# KiCad board B3_panel.kicad_pcb (continued)
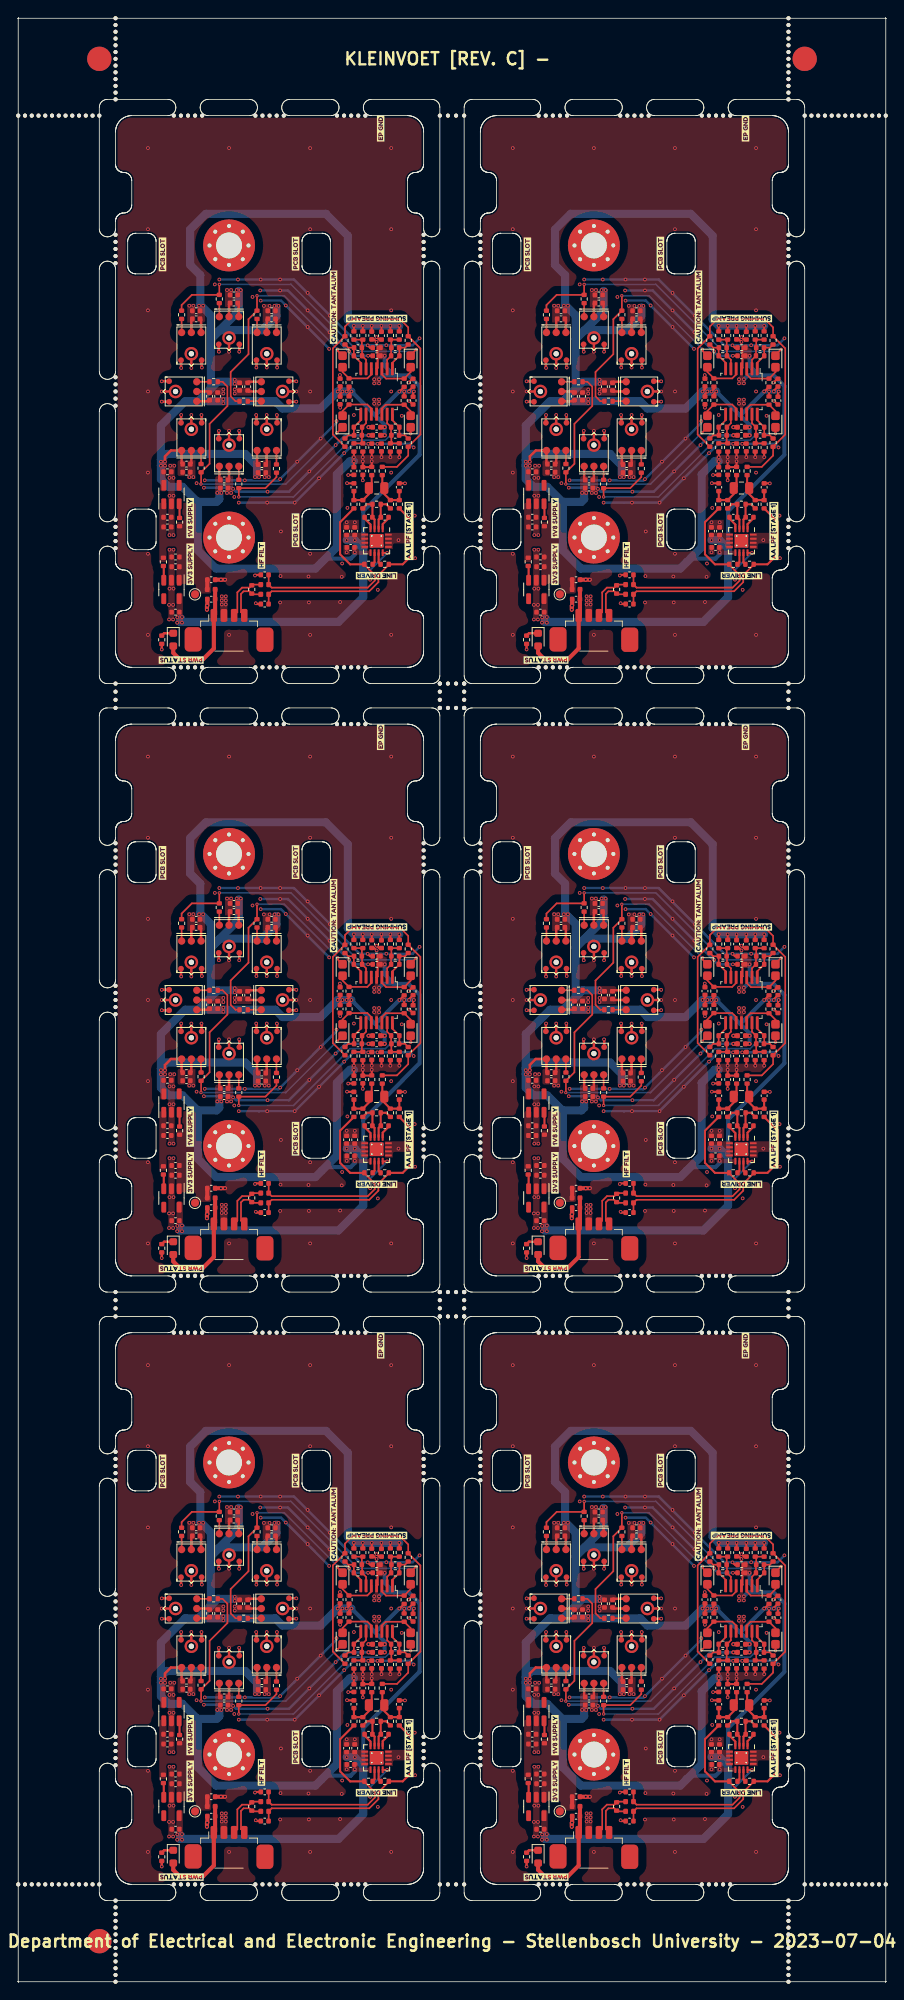
[diagram p0: board, top side]
## Placement (name value [footprint] x y rotation side) (continued)
REF**#79  -  [NPTH]  76 12 0 top
REF**#80  -  [NPTH]  19.19 155 0 top
REF**#81  -  [NPTH]  55 82 0 top
REF**#82  -  [NPTH]  95 232.83 0 top
REF**#83  -  [NPTH]  102.83 230 0 top
REF**#84  -  [NPTH]  76 162 0 top
REF**#85  -  [NPTH]  57 215.31 0 top
REF**#86  -  [NPTH]  31.88 12 0 top
REF**#87  -  [NPTH]  66.81 162 0 top
REF**#88  -  [NPTH]  57 120.12 0 top
REF**#89  -  [NPTH]  50 26.69 0 top
REF**#90  -  [NPTH]  39.31 87 0 top
REF**#91  -  [NPTH]  53 85 0 top
REF**#92  -  [NPTH]  77.75 87 0 top
REF**#93  -  [Fiducial]  10 5 0 top
REF**#94  -  [NPTH]  67.69 80 0 top
REF**#95  -  [NPTH]  41.94 12 0 top
REF**#96  -  [NPTH]  41.06 80 0 top
REF**#97  -  [NPTH]  20.94 155 0 top
REF**#98  -  [NPTH]  76 87 0 top
REF**#99  -  [NPTH]  65.94 80 0 top
REF**#100  -  [NPTH]  42.81 12 0 top
REF**#101  -  [NPTH]  12 242 0 top
REF**#102  -  [NPTH]  12 196.88 0 top
REF**#103  -  [NPTH]  40.19 80 0 top
REF**#104  -  [NPTH]  12 178.44 0 top
REF**#105  -  [NPTH]  21.81 155 0 top
REF**#106  -  [NPTH]  95 0 0 top
REF**#107  -  [NPTH]  67.69 12 0 top
REF**#108  -  [NPTH]  57 212.69 0 top
REF**#109  -  [NPTH]  95 4.17 0 top
REF**#110  -  [NPTH]  95 138.56 0 top
REF**#111  -  [NPTH]  41.94 155 0 top
REF**#112  -  [NPTH]  31 80 0 top
REF**#113  -  [NPTH]  12 157 0 top
REF**#114  -  [NPTH]  50 101.69 0 top
REF**#115  -  [NPTH]  86.06 155 0 top
REF**#116  -  [NPTH]  5.83 230 0 top
REF**#117  -  [NPTH]  55 84 0 top
REF**#118  -  [NPTH]  97 12 0 top
REF**#119  -  [NPTH]  57 137.69 0 top
REF**#120  -  [NPTH]  12 176.69 0 top
REF**#121  -  [NPTH]  12 5 0 top
REF**#122  -  [NPTH]  76.88 12 0 top
REF**#123  -  [NPTH]  12 196 0 top
REF**#124  -  [NPTH]  55 160 0 top
REF**#125  -  [NPTH]  19.19 230 0 top
REF**#126  -  [NPTH]  12 6.67 0 top
REF**#127  -  [NPTH]  85.19 230 0 top
REF**#128  -  [NPTH]  12 8.33 0 top
REF**#129  -  [NPTH]  103.67 12 0 top
REF**#130  -  [NPTH]  50 215.31 0 top
REF**#131  -  [NPTH]  95 235.33 0 top
REF**#132  -  [NPTH]  57 61.81 0 top
REF**#133  -  [NPTH]  95 101.69 0 top
REF**#134  -  [NPTH]  100.33 230 0 top
REF**#135  -  [NPTH]  95 8.33 0 top
REF**#136  -  [NPTH]  97 230 0 top
REF**#137  -  [NPTH]  87.81 12 0 top
REF**#138  -  [NPTH]  20.94 162 0 top
REF**#139  -  [NPTH]  50 136.81 0 top
REF**#140  -  [NPTH]  57 27.56 0 top
REF**#141  -  [NPTH]  20.06 80 0 top
REF**#142  -  [NPTH]  12 121 0 top
REF**#143  -  [NPTH]  57 63.56 0 top
REF**#144  -  [NPTH]  12 64.44 0 top
REF**#145  -  [NPTH]  95 5 0 top
REF**#146  -  [NPTH]  95 176.69 0 top
REF**#147  -  [NPTH]  12 47.75 0 top
REF**#148  -  [NPTH]  12 119.25 0 top
REF**#149  -  [NPTH]  30.12 230 0 top
REF**#150  -  [NPTH]  95 64.44 0 top
REF**#151  -  [NPTH]  95 1.67 0 top
REF**#152  -  [NPTH]  42.81 162 0 top
REF**#153  -  [NPTH]  95 211.81 0 top
REF**#154  -  [NPTH]  86.94 162 0 top
REF**#155  -  [NPTH]  95 103.44 0 top
REF**#156  -  [NPTH]  19.19 80 0 top
REF**#157  -  [NPTH]  86.06 230 0 top
REF**#158  -  [NPTH]  50 178.44 0 top
REF**#159  -  [NPTH]  39.31 155 0 top
REF**#160  -  [NPTH]  84.31 162 0 top
REF**#161  -  [NPTH]  103.67 230 0 top
REF**#162  -  [NPTH]  105.33 230 0 top
REF**#163  -  [NPTH]  95 241.17 0 top
REF**#164  -  [NPTH]  76.88 87 0 top
REF**#165  -  [NPTH]  65.94 155 0 top
REF**#166  -  [NPTH]  52 12 0 top
REF**#167  -  [NPTH]  12 83 0 top
REF**#168  -  [NPTH]  76 155 0 top
REF**#169  -  [NPTH]  0.83 12 0 top
REF**#170  -  [NPTH]  65.06 162 0 top
REF**#171  -  [NPTH]  12 179.31 0 top
REF**#172  -  [NPTH]  55 157 0 top
REF**#173  -  [NPTH]  32.75 87 0 top
REF**#174  -  [NPTH]  65.06 230 0 top
REF**#175  -  [NPTH]  57 101.69 0 top
REF**#176  -  [NPTH]  30.12 87 0 top
REF**#177  -  [NPTH]  84.31 155 0 top
REF**#178  -  [NPTH]  65.06 87 0 top
REF**#179  -  [NPTH]  57 195.12 0 top
REF**#180  -  [NPTH]  12 160 0 top
REF**#181  -  [NPTH]  41.94 80 0 top
REF**#182  -  [NPTH]  6.67 12 0 top
REF**#183  -  [NPTH]  50 65.31 0 top
REF**#184  -  [NPTH]  84.31 87 0 top
REF**#185  -  [NPTH]  31.88 155 0 top
REF**#186  -  [NPTH]  0 230 0 top
REF**#187  -  [NPTH]  12 30.19 0 top
REF**#188  -  [NPTH]  10 12 0 top
REF**#189  -  [NPTH]  52 159 0 top
REF**#190  -  [NPTH]  12 2.5 0 top
REF**#191  -  [NPTH]  12 136.81 0 top
REF**#192  -  [NPTH]  52 157 0 top
REF**#193  -  [NPTH]  104.5 230 0 top
REF**#194  -  [NPTH]  55 85 0 top
REF**#195  -  [NPTH]  54 82 0 top
REF**#196  -  [NPTH]  31 87 0 top
REF**#197  -  [NPTH]  12 237 0 top
REF**#198  -  [NPTH]  5.83 12 0 top
REF**#199  -  [NPTH]  54 160 0 top
REF**#200  -  [NPTH]  12 63.56 0 top
REF**#201  -  [NPTH]  95 160 0 top
REF**#202  -  [NPTH]  31.88 80 0 top
REF**#203  -  [NPTH]  20.06 162 0 top
REF**#204  -  [NPTH]  39.31 80 0 top
REF**#205  -  [NPTH]  95 157 0 top
REF**#206  -  [NPTH]  0 12 0 top
REF**#207  -  [NPTH]  20.06 155 0 top
REF**#208  -  [NPTH]  64.19 87 0 top
REF**#209  -  [NPTH]  106.17 230 0 top
REF**#210  -  [NPTH]  95 3.33 0 top
REF**#211  -  [NPTH]  95 28.44 0 top
REF**#212  -  [NPTH]  102.83 12 0 top
REF**#213  -  [NPTH]  50 104.31 0 top
REF**#214  -  [NPTH]  65.06 80 0 top
REF**#215  -  [NPTH]  65.94 230 0 top
REF**#216  -  [NPTH]  95 159 0 top
REF**#217  -  [NPTH]  95 6.67 0 top
REF**#218  -  [NPTH]  1.67 12 0 top
REF**#219  -  [NPTH]  41.06 155 0 top
REF**#220  -  [NPTH]  95 102.56 0 top
REF**#221  -  [NPTH]  57 121 0 top
REF**#222  -  [NPTH]  95 179.31 0 top
REF**#223  -  [NPTH]  50 105.19 0 top
REF**#224  -  [NPTH]  84.31 80 0 top
REF**#225  -  [NPTH]  98.67 12 0 top
REF**#226  -  [NPTH]  75.12 87 0 top
REF**#227  -  [NPTH]  12 180.19 0 top
REF**#228  -  [NPTH]  12 139.44 0 top
REF**#229  -  [NPTH]  75.12 12 0 top
REF**#230  -  [NPTH]  12 137.69 0 top
REF**#231  -  [NPTH]  85.19 80 0 top
REF**#232  -  [NPTH]  40.19 87 0 top
REF**#233  -  [NPTH]  84.31 230 0 top
REF**#234  -  [NPTH]  50 139.44 0 top
REF**#235  -  [NPTH]  6.67 230 0 top
REF**#236  -  [NPTH]  95 85 0 top
REF**#237  -  [NPTH]  32.75 12 0 top
REF**#238  -  [NPTH]  20.94 87 0 top
REF**#239  -  [NPTH]  50 179.31 0 top
REF**#240  -  [NPTH]  12 85 0 top
REF**#241  -  [NPTH]  50 28.44 0 top
REF**#242  -  [NPTH]  22.69 162 0 top
REF**#243  -  [NPTH]  86.06 87 0 top
REF**#244  -  [NPTH]  12 62.69 0 top
REF**#245  -  [NPTH]  95 180.19 0 top
REF**#246  -  [NPTH]  66.81 12 0 top
REF**#247  -  [NPTH]  20.94 80 0 top
REF**#248  -  [NPTH]  1.67 230 0 top
REF**#249  -  [NPTH]  53 160 0 top
REF**#250  -  [NPTH]  57 196.88 0 top
REF**#251  -  [NPTH]  66.81 80 0 top
REF**#252  -  [NPTH]  40.19 12 0 top
REF**#253  -  [NPTH]  95 215.31 0 top
REF**#254  -  [NPTH]  50 213.56 0 top
REF**#255  -  [NPTH]  39.31 12 0 top
REF**#256  -  [NPTH]  95 177.56 0 top
REF**#257  -  [NPTH]  87.81 230 0 top
REF**#258  -  [NPTH]  57 136.81 0 top
REF**#259  -  [NPTH]  30.12 162 0 top
REF**#260  -  [NPTH]  55 82 0 top
REF**#261  -  [NPTH]  54 12 0 top
REF**#262  -  [NPTH]  57 62.69 0 top
REF**#263  -  [NPTH]  95 178.44 0 top
REF**#264  -  [NPTH]  12 194.25 0 top
REF**#265  -  [NPTH]  86.94 230 0 top
REF**#266  -  [NPTH]  3.33 12 0 top
REF**#267  -  [NPTH]  102 230 0 top
REF**#268  -  [NPTH]  12 239.5 0 top
REF**#269  -  [NPTH]  12 0.83 0 top
REF**#270  -  [NPTH]  95 240.33 0 top
REF**#271  -  [NPTH]  95 232 0 top
REF**#272  -  [NPTH]  31.88 162 0 top
REF**#273  -  [NPTH]  52 158 0 top
REF**#274  -  [NPTH]  97.83 230 0 top
REF**#275  -  [NPTH]  57 180.19 0 top
REF**#276  -  [NPTH]  41.94 230 0 top
REF**#277  -  [NPTH]  104.5 12 0 top
REF**#278  -  [NPTH]  12 9.17 0 top
REF**#279  -  [NPTH]  95 61.81 0 top
REF**#280  -  [NPTH]  95 237.83 0 top
REF**#281  -  [NPTH]  55 12 0 top
REF**#282  -  [NPTH]  41.06 87 0 top
REF**#283  -  [NPTH]  19.19 162 0 top
REF**#284  -  [NPTH]  55 160 0 top
REF**#285  -  [NPTH]  12 235.33 0 top
REF**#286  -  [NPTH]  12 197.75 0 top
REF**#287  -  [NPTH]  42.81 155 0 top
REF**#288  -  [NPTH]  12 159 0 top
REF**#289  -  [NPTH]  50 177.56 0 top
REF**#290  -  [NPTH]  52 85 0 top
REF**#291  -  [NPTH]  32.75 155 0 top
REF**#292  -  [NPTH]  19.19 12 0 top
REF**#293  -  [NPTH]  12 240.33 0 top
REF**#294  -  [NPTH]  52 82 0 top
REF**#295  -  [NPTH]  12 213.56 0 top
REF**#296  -  [Fiducial]  97 237 0 top
REF**#297  -  [NPTH]  95 136.81 0 top
REF**#298  -  [NPTH]  29.25 230 0 top
REF**#299  -  [NPTH]  50 138.56 0 top
REF**#300  -  [NPTH]  77.75 12 0 top
REF**#301  -  [NPTH]  95 63.56 0 top
REF**#302  -  [NPTH]  29.25 155 0 top
REF**#303  -  [NPTH]  12 238.67 0 top
REF**#304  -  [NPTH]  50 103.44 0 top
REF**#305  -  [NPTH]  12 65.31 0 top
REF**#306  -  [NPTH]  95 238.67 0 top
REF**#307  -  [NPTH]  12 61.81 0 top
REF**#308  -  [NPTH]  12 122.75 0 top
REF**#309  -  [NPTH]  57 138.56 0 top
REF**#310  -  [NPTH]  75.12 155 0 top
REF**#311  -  [NPTH]  52 160 0 top
REF**#312  -  [NPTH]  95 84 0 top
REF**#313  -  [NPTH]  50 61.81 0 top
REF**#314  -  [NPTH]  76 80 0 top
REF**#315  -  [NPTH]  12 5.83 0 top
REF**#316  -  [NPTH]  53 82 0 top
REF**#317  -  [NPTH]  57 122.75 0 top
REF**#318  -  [NPTH]  99.5 230 0 top
REF**#319  -  [NPTH]  57 46 0 top
REF**#320  -  [NPTH]  77.75 162 0 top
REF**#321  -  [NPTH]  21.81 162 0 top
REF**#322  -  [NPTH]  52 82 0 top
REF**#323  -  [NPTH]  12 140.31 0 top
REF**#324  -  [NPTH]  86.94 155 0 top
REF**#325  -  [NPTH]  12 104.31 0 top
REF**#326  -  [NPTH]  20.06 87 0 top
REF**#327  -  [NPTH]  12 1.67 0 top
REF**#328  -  [NPTH]  86.94 87 0 top
REF**#329  -  [NPTH]  50 140.31 0 top
REF**#330  -  [NPTH]  75.12 230 0 top
REF**#331  -  [NPTH]  66.81 87 0 top
REF**#332  -  [NPTH]  54 85 0 top
REF**#333  -  [NPTH]  31.88 230 0 top
REF**#334  -  [NPTH]  41.94 87 0 top
REF**#335  -  [NPTH]  57 176.69 0 top
REF**#336  -  [NPTH]  86.06 12 0 top
REF**#337  -  [NPTH]  41.06 162 0 top
REF**#338  -  [Fiducial]  10 237 0 top
REF**#339  -  [NPTH]  95 30.19 0 top
REF**#340  -  [NPTH]  85.19 87 0 top
REF**#341  -  [NPTH]  39.31 162 0 top
REF**#342  -  [NPTH]  53 12 0 top
REF**#343  -  [NPTH]  8.33 230 0 top
REF**#344  -  [NPTH]  95 139.44 0 top
REF**#345  -  [NPTH]  31 155 0 top
REF**#346  -  [NPTH]  12 103.44 0 top
REF**#347  -  [NPTH]  10 230 0 top
REF**#348  -  [NPTH]  95 5.83 0 top
REF**#349  -  [NPTH]  64.19 155 0 top
REF**#350  -  [NPTH]  57 46.88 0 top
REF**#351  -  [NPTH]  41.94 162 0 top
REF**#352  -  [NPTH]  57 45.12 0 top
REF**#353  -  [NPTH]  50 180.19 0 top
REF**#354  -  [NPTH]  85.19 155 0 top
REF**#355  -  [NPTH]  12 232 0 top
REF**#356  -  [NPTH]  87.81 87 0 top
REF**#357  -  [NPTH]  106.17 12 0 top
REF**#358  -  [NPTH]  57 119.25 0 top
REF**#359  -  [NPTH]  74.25 80 0 top
REF**#360  -  [NPTH]  95 137.69 0 top
REF**#361  -  [NPTH]  12 27.56 0 top
REF**#362  -  [NPTH]  12 46 0 top
REF**#363  -  [NPTH]  50 30.19 0 top
REF**#364  -  [NPTH]  7.5 230 0 top
REF**#365  -  [NPTH]  64.19 230 0 top
REF**#366  -  [NPTH]  12 82 0 top
REF**#367  -  [NPTH]  67.69 162 0 top
REF**#368  -  [NPTH]  76.88 80 0 top
REF**#369  -  [NPTH]  29.25 87 0 top
REF**#370  -  [NPTH]  42.81 80 0 top
REF**#371  -  [NPTH]  30.12 12 0 top
REF**#372  -  [NPTH]  32.75 230 0 top
REF**#373  -  [NPTH]  76.88 162 0 top
REF**#374  -  [NPTH]  7.5 12 0 top
REF**#375  -  [NPTH]  95 65.31 0 top
REF**#376  -  [NPTH]  12 233.67 0 top
REF**#377  -  [NPTH]  57 44.25 0 top
REF**#378  -  [NPTH]  57 214.44 0 top
REF**#379  -  [NPTH]  77.75 230 0 top
REF**#380  -  [NPTH]  12 234.5 0 top
REF**#381  -  [NPTH]  22.69 87 0 top
REF**#382  -  [NPTH]  8.33 12 0 top
REF**#383  -  [NPTH]  12 232.83 0 top
REF**#384  -  [NPTH]  66.81 230 0 top
REF**#385  -  [NPTH]  57 121.88 0 top
REF**#386  -  [NPTH]  74.25 87 0 top
REF**#387  -  [NPTH]  65.06 155 0 top
REF**#388  -  [NPTH]  107 12 0 top
REF**#389  -  [NPTH]  12 177.56 0 top
REF**#390  -  [NPTH]  95 105.19 0 top
REF**#391  -  [NPTH]  95 29.31 0 top
REF**#392  -  [NPTH]  50 62.69 0 top
REF**#393  -  [NPTH]  86.06 162 0 top
REF**#394  -  [NPTH]  57 211.81 0 top
REF**#395  -  [NPTH]  57 213.56 0 top
REF**#396  -  [NPTH]  95 2.5 0 top
REF**#397  -  [NPTH]  22.69 155 0 top
REF**#398  -  [NPTH]  95 214.44 0 top
REF**#399  -  [NPTH]  95 10 0 top
REF**#400  -  [NPTH]  52 157 0 top
REF**#401  -  [NPTH]  50 212.69 0 top
REF**#402  -  [NPTH]  12 120.12 0 top
REF**#403  -  [NPTH]  12 10 0 top
REF**#404  -  [NPTH]  4.17 230 0 top
REF**#405  -  [NPTH]  86.06 80 0 top
REF**#406  -  [NPTH]  105.33 12 0 top
REF**#407  -  [NPTH]  55 83 0 top
REF**#408  -  [NPTH]  95 26.69 0 top
REF**#409  -  [NPTH]  86.94 80 0 top
REF**#410  -  [NPTH]  101.17 12 0 top
REF**#411  -  [NPTH]  50 29.31 0 top
REF**#412  -  [NPTH]  12 105.19 0 top
REF**#413  -  [NPTH]  85.19 162 0 top
REF**#414  -  [NPTH]  12 211.81 0 top
REF**#415  -  [NPTH]  57 139.44 0 top
REF**#416  -  [NPTH]  77.75 155 0 top
REF**#417  -  [NPTH]  95 82 0 top
REF**#418  -  [NPTH]  0.83 230 0 top
REF**#419  -  [NPTH]  64.19 80 0 top
REF**#420  -  [NPTH]  12 101.69 0 top
REF**#421  -  [NPTH]  57 105.19 0 top
REF**#422  -  [NPTH]  57 194.25 0 top
REF**#423  -  [NPTH]  87.81 80 0 top
REF**#424  -  [NPTH]  21.81 230 0 top
REF**#425  -  [NPTH]  41.06 230 0 top
REF**#426  -  [NPTH]  12 0 0 top
REF**#427  -  [NPTH]  95 239.5 0 top
REF**#428  -  [NPTH]  74.25 162 0 top
REF**#429  -  [NPTH]  12 102.56 0 top
REF**#430  -  [NPTH]  86.94 12 0 top
REF**#431  -  [NPTH]  22.69 230 0 top
REF**#432  -  [NPTH]  65.06 12 0 top
REF**#433  -  [NPTH]  41.06 12 0 top
REF**#434  -  [NPTH]  98.67 230 0 top
REF**#435  -  [NPTH]  57 196 0 top
REF**#436  -  [NPTH]  57 104.31 0 top
REF**#437  -  [NPTH]  57 102.56 0 top
REF**#438  -  [NPTH]  12 214.44 0 top
REF**#439  -  [NPTH]  12 158 0 top
REF**#440  -  [NPTH]  55 159 0 top
REF**#441  -  [NPTH]  95 236.17 0 top
REF**#442  -  [NPTH]  95 27.56 0 top
REF**#443  -  [NPTH]  12 84 0 top
REF**#444  -  [NPTH]  101.17 230 0 top
REF**#445  -  [NPTH]  75.12 80 0 top
REF**#446  -  [NPTH]  57 26.69 0 top
REF**#447  -  [NPTH]  107 230 0 top
REF**#448  -  [NPTH]  20.06 230 0 top
REF**#449  -  [NPTH]  29.25 80 0 top
REF**#450  -  [NPTH]  9.17 230 0 top
REF**#451  -  [NPTH]  50 102.56 0 top
REF**#452  -  [NPTH]  57 178.44 0 top
REF**#453  -  [NPTH]  21.81 87 0 top
REF**#454  -  [NPTH]  31 12 0 top
REF**#455  -  [NPTH]  5 230 0 top
REF**#456  -  [NPTH]  19.19 87 0 top
REF**#457  -  [NPTH]  12 121.88 0 top
REF**#458  -  [NPTH]  20.94 230 0 top
REF**#459  -  [NPTH]  50 27.56 0 top
REF**#460  -  [NPTH]  55 158 0 top
REF**#461  -  [NPTH]  50 211.81 0 top
REF**#462  -  [NPTH]  12 241.17 0 top
REF**#463  -  [NPTH]  53 230 0 top
REF**#464  -  [NPTH]  95 9.17 0 top
REF**#465  -  [NPTH]  31 162 0 top
REF**#466  -  [NPTH]  42.81 230 0 top
REF**#467  -  [NPTH]  29.25 162 0 top
REF**#468  -  [NPTH]  74.25 155 0 top
REF**#469  -  [NPTH]  57 29.31 0 top
REF**#470  -  [NPTH]  76 230 0 top
REF**#471  -  [NPTH]  9.17 12 0 top
REF**#472  -  [NPTH]  12 3.33 0 top
REF**#473  -  [NPTH]  95 242 0 top
REF**#474  -  [NPTH]  52 230 0 top
REF**#475  -  [NPTH]  74.25 12 0 top
REF**#476  -  [NPTH]  12 44.25 0 top
REF**#477  -  [NPTH]  95 83 0 top
REF**#478  -  [NPTH]  30.12 80 0 top
REF**#479  -  [NPTH]  99.5 12 0 top
REF**#480  -  [NPTH]  50 214.44 0 top
REF**#481  -  [NPTH]  12 26.69 0 top
REF**#482  -  [NPTH]  75.12 162 0 top
REF**#483  -  [NPTH]  12 138.56 0 top
REF**#484  -  [NPTH]  55 157 0 top
REF**#485  -  [NPTH]  95 0.83 0 top
REF**#486  -  [NPTH]  100.33 12 0 top
REF**#487  -  [NPTH]  22.69 80 0 top
REF**#488  -  [NPTH]  95 233.67 0 top
REF**#489  -  [NPTH]  95 234.5 0 top
REF**#490  -  [NPTH]  21.81 12 0 top
REF**#491  -  [NPTH]  29.25 12 0 top
REF**#492  -  [NPTH]  31 230 0 top
REF**#493  -  [NPTH]  87.81 162 0 top
REF**#494  -  [Fiducial]  10 237 0 bottom
REF**#495  -  [Fiducial]  97 237 0 bottom
REF**#496  -  [Fiducial]  10 5 0 bottom
TP1001  VCC_Filt  [TestPoint_Pad_D1.0mm]  21.8 171 90 top
TP1001#2  VCC_Filt  [TestPoint_Pad_D1.0mm]  66.8 171 90 top
TP1001#3  VCC_Filt  [TestPoint_Pad_D1.0mm]  66.8 96 90 top
TP1001#4  VCC_Filt  [TestPoint_Pad_D1.0mm]  66.8 21 90 top
TP1001#5  VCC_Filt  [TestPoint_Pad_D1.0mm]  21.8 96 90 top
TP1001#6  VCC_Filt  [TestPoint_Pad_D1.0mm]  21.8 21 90 top
U1001  LP5907MFX-1.8  [SOT-23-5]  63.9 33.3 90 top
U1001#2  LP5907MFX-1.8  [SOT-23-5]  18.9 108.3 90 top
U1001#3  LP5907MFX-1.8  [SOT-23-5]  18.9 183.3 90 top
U1001#4  LP5907MFX-1.8  [SOT-23-5]  63.9 183.3 90 top
U1001#5  LP5907MFX-1.8  [SOT-23-5]  63.9 108.3 90 top
U1001#6  LP5907MFX-1.8  [SOT-23-5]  18.9 33.3 90 top
U1002  LP5907MFX-3.3  [SOT-23-5]  18.9 21.6 270 top
U1002#2  LP5907MFX-3.3  [SOT-23-5]  18.9 96.6 270 top
U1002#3  LP5907MFX-3.3  [SOT-23-5]  63.9 21.6 270 top
U1002#4  LP5907MFX-3.3  [SOT-23-5]  63.9 171.6 270 top
U1002#5  LP5907MFX-3.3  [SOT-23-5]  63.9 96.6 270 top
U1002#6  LP5907MFX-3.3  [SOT-23-5]  18.9 171.6 270 top
U1601  OPA1664  [Texas_PW_R-PDSO-G14]  44.2 46 180 top
U1601#2  OPA1664  [Texas_PW_R-PDSO-G14]  44.2 121 180 top
U1601#3  OPA1664  [Texas_PW_R-PDSO-G14]  89.2 196 180 top
U1601#4  OPA1664  [Texas_PW_R-PDSO-G14]  89.2 46 180 top
U1601#5  OPA1664  [Texas_PW_R-PDSO-G14]  89.2 121 180 top
U1601#6  OPA1664  [Texas_PW_R-PDSO-G14]  44.2 196 180 top
U1701  THS4551xRGT  [VQFN-16-1EP_3x3mm_P0.5mm_EP1.68x1.68mm_ThermalVias]  89.2 102.6 270 top
U1701#2  THS4551xRGT  [VQFN-16-1EP_3x3mm_P0.5mm_EP1.68x1.68mm_ThermalVias]  44.2 27.6 270 top
U1701#3  THS4551xRGT  [VQFN-16-1EP_3x3mm_P0.5mm_EP1.68x1.68mm_ThermalVias]  89.2 177.6 270 top
U1701#4  THS4551xRGT  [VQFN-16-1EP_3x3mm_P0.5mm_EP1.68x1.68mm_ThermalVias]  89.2 27.6 270 top
U1701#5  THS4551xRGT  [VQFN-16-1EP_3x3mm_P0.5mm_EP1.68x1.68mm_ThermalVias]  44.2 102.6 270 top
U1701#6  THS4551xRGT  [VQFN-16-1EP_3x3mm_P0.5mm_EP1.68x1.68mm_ThermalVias]  44.2 177.6 270 top

## Library data of the parts
C1001 C1001#2-C1001#6 C1002 C1002#2-C1002#6 C1005 C1005#2-C1005#6 = -: Description: Unpolarized capacitor, small symbol; MPN: GRM155R60J106ME05D; Mfr.: Murata
C1003 C1003#2-C1003#6 C1004 C1004#2-C1004#6 C1006 C1006#2-C1006#6 C1007 C1007#2-C1007#6 C1008 C1008#2-C1008#6 C1009 C1009#2-C1009#6 C1401 C1401#2-C1401#6 C1402 C1402#2-C1402#6 C1501 C1501#2-C1501#6 C1503 C1503#2-C1503#6 C1504 C1504#2-C1504#6 C1505 C1505#2-C1505#6 C1506 C1506#2-C1506#6 C1507 C1507#2-C1507#6 C1508 C1508#2-C1508#6 C1605 C1605#2-C1605#6 = -: Description: Unpolarized capacitor, small symbol; MPN: C0402C105K9PACTU; Mfr.: KEMET
C1101 C1101#2-C1101#6 C1102 C1102#2-C1102#6 C1502 C1502#2-C1502#6 C1606 C1606#2-C1606#6 C1607 C1607#2-C1607#6 C1610 C1610#2-C1610#6 C1611 C1611#2-C1611#6 C1612 C1612#2-C1612#6 = -: Description: Unpolarized capacitor, small symbol; MPN: GRT1555C1H221FA02D; Mfr.: Murata
C1601 C1601#2-C1601#6 = -: Description: Unpolarized capacitor, small symbol; MPN: GRM21B5C1H183JA01K; Mfr.: Murata
C1602 C1602#2-C1602#6 = -: Description: Unpolarized capacitor, small symbol
C1603 C1603#2-C1603#6 C1604 C1604#2-C1604#6 = -: Description: Unpolarized capacitor, small symbol; MPN: GRM1555C1H272GE01D; Mfr.: Murata
C1608 C1608#2-C1608#6 C1609 C1609#2-C1609#6 C1613 C1613#2-C1613#6 C1614 C1614#2-C1614#6 = -: Description: Unpolarized capacitor, small symbol; MPN: F980G107MMAAH1; Mfr.: KYOCERA AVX; Notes: (Tantalum, actual =100u))
CB1001 CB1001#2-CB1001#6 CB1002 CB1002#2-CB1002#6 CB1003 CB1003#2-CB1003#6 CB1401 CB1401#2-CB1401#6 CB1402 CB1402#2-CB1402#6 CB1403 CB1403#2-CB1403#6 CB1404 CB1404#2-CB1404#6 CB1405 CB1405#2-CB1405#6 CB1406 CB1406#2-CB1406#6 CB1407 CB1407#2-CB1407#6 CB1408 CB1408#2-CB1408#6 CB1502 CB1502#2-CB1502#6 CB1601 CB1601#2-CB1601#6 CB1602 CB1602#2-CB1602#6 CB1603 CB1603#2-CB1603#6 CB1604 CB1604#2-CB1604#6 CB1605 CB1605#2-CB1605#6 CB1606 CB1606#2-CB1606#6 CB1607 CB1607#2-CB1607#6 CB1608 CB1608#2-CB1608#6 CB1609 CB1609#2-CB1609#6 CB1610 CB1610#2-CB1610#6 = -: Description: Unpolarized capacitor, small symbol; MPN: C0402C104K8PACTU; Mfr.: KEMET
D1001 D1001#2-D1001#6 = -: Description: Light emitting diode, small symbol; MPN: SML-D12U8WT86C; Mfr.: ROHM Semiconductor
FB1001 FB1001#2-FB1001#6 = -: Description: Ferrite bead, small symbol; MPN: BLM15HD102SN1D; Mfr.: Murata
FB1101 FB1101#2-FB1101#6 FB1102 FB1102#2-FB1102#6 = -: Description: Ferrite bead, small symbol; MPN: BLM15AX102SZ1D; Mfr.: Murata
H1001 H1001#2-H1001#6 H1002 H1002#2-H1002#6 = -: Description: Mounting Hole with connection
J1101 J1101#2-J1101#6 = -: Description: Generic connector, single row, 01x04, script generated (kicad-library-utils/schlib/autogen/connector/); MPN: 10114828-11104LF; Mfr.: Amphenol
MK1401 MK1401#2-MK1401#6 MK1402 MK1402#2-MK1402#6 MK1403 MK1403#2-MK1403#6 MK1404 MK1404#2-MK1404#6 MK1405 MK1405#2-MK1405#6 MK1406 MK1406#2-MK1406#6 MK1407 MK1407#2-MK1407#6 MK1408 MK1408#2-MK1408#6 = -: MPN: ICS-40300; Mfr.: TDK InvenSense
R1001 R1001#2-R1001#6 R1003 R1003#2-R1003#6 = -: Description: Resistor, small symbol; MPN: RT0402FRE07100KL; Mfr.: Yageo
R1002 R1002#2-R1002#6 = -: Description: Resistor, small symbol; MPN: RT0402FRE072K2L; Mfr.: Yageo
R1101 R1101#2-R1101#6 = -: Description: Resistor, small symbol
R1514 R1514#2-R1514#6 R1605 R1605#2-R1605#6 R1606 R1606#2-R1606#6 R1609 R1609#2-R1609#6 R1610 R1610#2-R1610#6 R1611 R1611#2-R1611#6 R1612 R1612#2-R1612#6 R1613 R1613#2-R1613#6 R1614 R1614#2-R1614#6 R1615 R1615#2-R1615#6 R1616 R1616#2-R1616#6 R1624 R1624#2-R1624#6 R1629 R1629#2-R1629#6 R1634 R1634#2-R1634#6 = -: Description: Resistor, small symbol; MPN: RT0402FRE071KL; Mfr.: Yageo
R1601 R1601#2-R1601#6 R1602 R1602#2-R1602#6 = -: Description: Resistor, small symbol; MPN: RT0402FRE07270RL; Mfr.: Yageo
R1603 R1603#2-R1603#6 R1604 R1604#2-R1604#6 R1617 R1617#2-R1617#6 R1618 R1618#2-R1618#6 R1619 R1619#2-R1619#6 R1620 R1620#2-R1620#6 R1626 R1626#2-R1626#6 R1627 R1627#2-R1627#6 R1631 R1631#2-R1631#6 R1632 R1632#2-R1632#6 = -: Description: Resistor, small symbol; MPN: RT0402FRE07330RL; Mfr.: Yageo
R1607 R1607#2-R1607#6 R1608 R1608#2-R1608#6 R1623 R1623#2-R1623#6 R1625 R1625#2-R1625#6 R1630 R1630#2-R1630#6 R1635 R1635#2-R1635#6 = -: Description: Resistor, small symbol; MPN: RT0603FRE0714R7L; Mfr.: Yageo
R1621 R1621#2-R1621#6 R1622 R1622#2-R1622#6 R1628 R1628#2-R1628#6 R1633 R1633#2-R1633#6 = -: Description: Resistor, small symbol; MPN: RT0402FRE1310KL; Mfr.: Yageo
TP1001 TP1001#2-TP1001#6 = -: Description: test point
U1001 U1001#2-U1001#6 = -: Description: 250-mA Ultra-Low-Noise Low-IQ LDO, 1.8V, SOT-23; MPN: LP5907MFX-1.8/NOPB; Mfr.: Texas Instruments
U1002 U1002#2-U1002#6 = -: Description: 250-mA Ultra-Low-Noise Low-IQ LDO, 3.3V, SOT-23; MPN: LP5907MFX-3.3/NOPB; Mfr.: Texas Instruments
U1601 U1601#2-U1601#6 = -: Description: High-Fidelity, Bipolar-Input, Audio Operational Amplifier, VSON-10; MPN: OPA1664AIPWR; Mfr.: Texas Instruments
U1701 U1701#2-U1701#6 = -: Description: Low-Noise Precision Fully Differential Amplifier, VQFN-16; MPN: THS4551IRGTR; Mfr.: Texas Instruments

## Footprints (pads in the part's own frame, mm; a bottom-side part is the same pattern mirrored in y, then rotated)
C_0402_1005Metric
  rrect 0.56x0.62 smd: 1(-0.48,0) 2(0.48,0)
C_0805_2012Metric
  rrect 1x1.45 smd: 1(-0.95,0) 2(0.95,0)
Connector_Amphenol_10114828-xxx04LF_Vertical
  rrect 2.1x3 smd: (-4.425,1.45) (4.425,1.4)
  rrect 0.8x1.6 smd: 1(1.875,4.4) 2(0.625,4.4) 3(-0.625,4.4) 4(-1.875,4.4)
CP_EIA-1608-10_AVX-L
  rrect 1.075x1.05 smd: 1(-0.713,0) 2(0.713,0)
Fiducial
  round 3 smd: (0,0)
L_0402_1005Metric
  rrect 0.59x0.64 smd: 1(-0.485,0) 2(0.485,0)
LED_0603_1608Metric
  rrect 0.875x0.95 smd: 1(-0.787,0) 2(0.787,0)
MEMS_Mic_ICS-40300
  round 0.65 hole 0.65 unplated: (0,0)
  round 0.9 smd: 1(-2.62,-1.2) 5(-2.62,1.2) 6(-2.62,0)
  round 0.7 smd: 2(0.79,-1.27) 4(0.79,1.27)
  custom 1.68x1.68 smd: 3(0.695,0)
MountingHole_3.2mm_M3_Pad_Via
  round 0.8 hole 0.5: 1(-2.4,0) 1(-1.697,1.697) 1(-1.697,-1.697) 1(0,2.4) 1(0,-2.4) 1(1.697,1.697) 1(1.697,-1.697) 1(2.4,0)
  round 6.4 hole 3.2: 1(0,0)
NPTH
  round 0.5 hole 0.5 unplated: (0,0)
R_0402_1005Metric
  rrect 0.54x0.64 smd: 1(-0.51,0) 2(0.51,0)
SOT-23-5
  rrect 1.325x0.6 smd: 1(-1.137,0.95) 2(-1.137,0) 3(-1.137,-0.95) 4(1.137,-0.95) 5(1.137,0.95)
TestPoint_Pad_D1.0mm
  round 1 smd: 1(0,0)
Texas_PW_R-PDSO-G14
  rrect 0.35x1.6 smd: 1(-1.95,-2.8) 2(-1.3,-2.8) 3(-0.65,-2.8) 4(0,-2.8) 5(0.65,-2.8) 6(1.3,-2.8) 7(1.95,-2.8) 8(1.95,2.8) 9(1.3,2.8) 10(0.65,2.8) 11(0,2.8) 12(-0.65,2.8) 13(-1.3,2.8) 14(-1.95,2.8)
VQFN-16-1EP_3x3mm_P0.5mm_EP1.68x1.68mm_ThermalVias
  rrect 0.73x0.73 smd: (-0.42,0.42) (-0.42,-0.42) (0.42,0.42) (0.42,-0.42)
  rrect 0.825x0.25 smd: 1(-1.462,0.75) 2(-1.462,0.25) 3(-1.462,-0.25) 4(-1.462,-0.75) 9(1.462,-0.75) 10(1.462,-0.25) 11(1.462,0.25) 12(1.462,0.75)
  rrect 0.25x0.825 smd: 5(-0.75,-1.462) 6(-0.25,-1.462) 7(0.25,-1.462) 8(0.75,-1.462) 13(0.75,1.462) 14(0.25,1.462) 15(-0.25,1.462) 16(-0.75,1.462)
  round 0.5 hole 0.2: 17(-0.59,0.59) 17(-0.59,-0.59) 17(0.59,0.59) 17(0.59,-0.59)
  rect 1.68x1.68 smd: 17(0,0)
  rect 1.68x1.68 smd far side: 17(0,0)
